# Altium PCB FMC_ADC_100M_10B_16CHA_TDC.PcbDoc (part 5 of 12)
Units mil, origin at the board's own origin, x right, y up, seen from the top; angles counter-clockwise.
Board outline 3037.39 x 2716.54 mil, 6 copper layers (TOP, G1, L2, L3, P3, BOTTOM), stack 50.475 mil thick; 720 components, 633 nets, 2798 pads, 1593 vias.
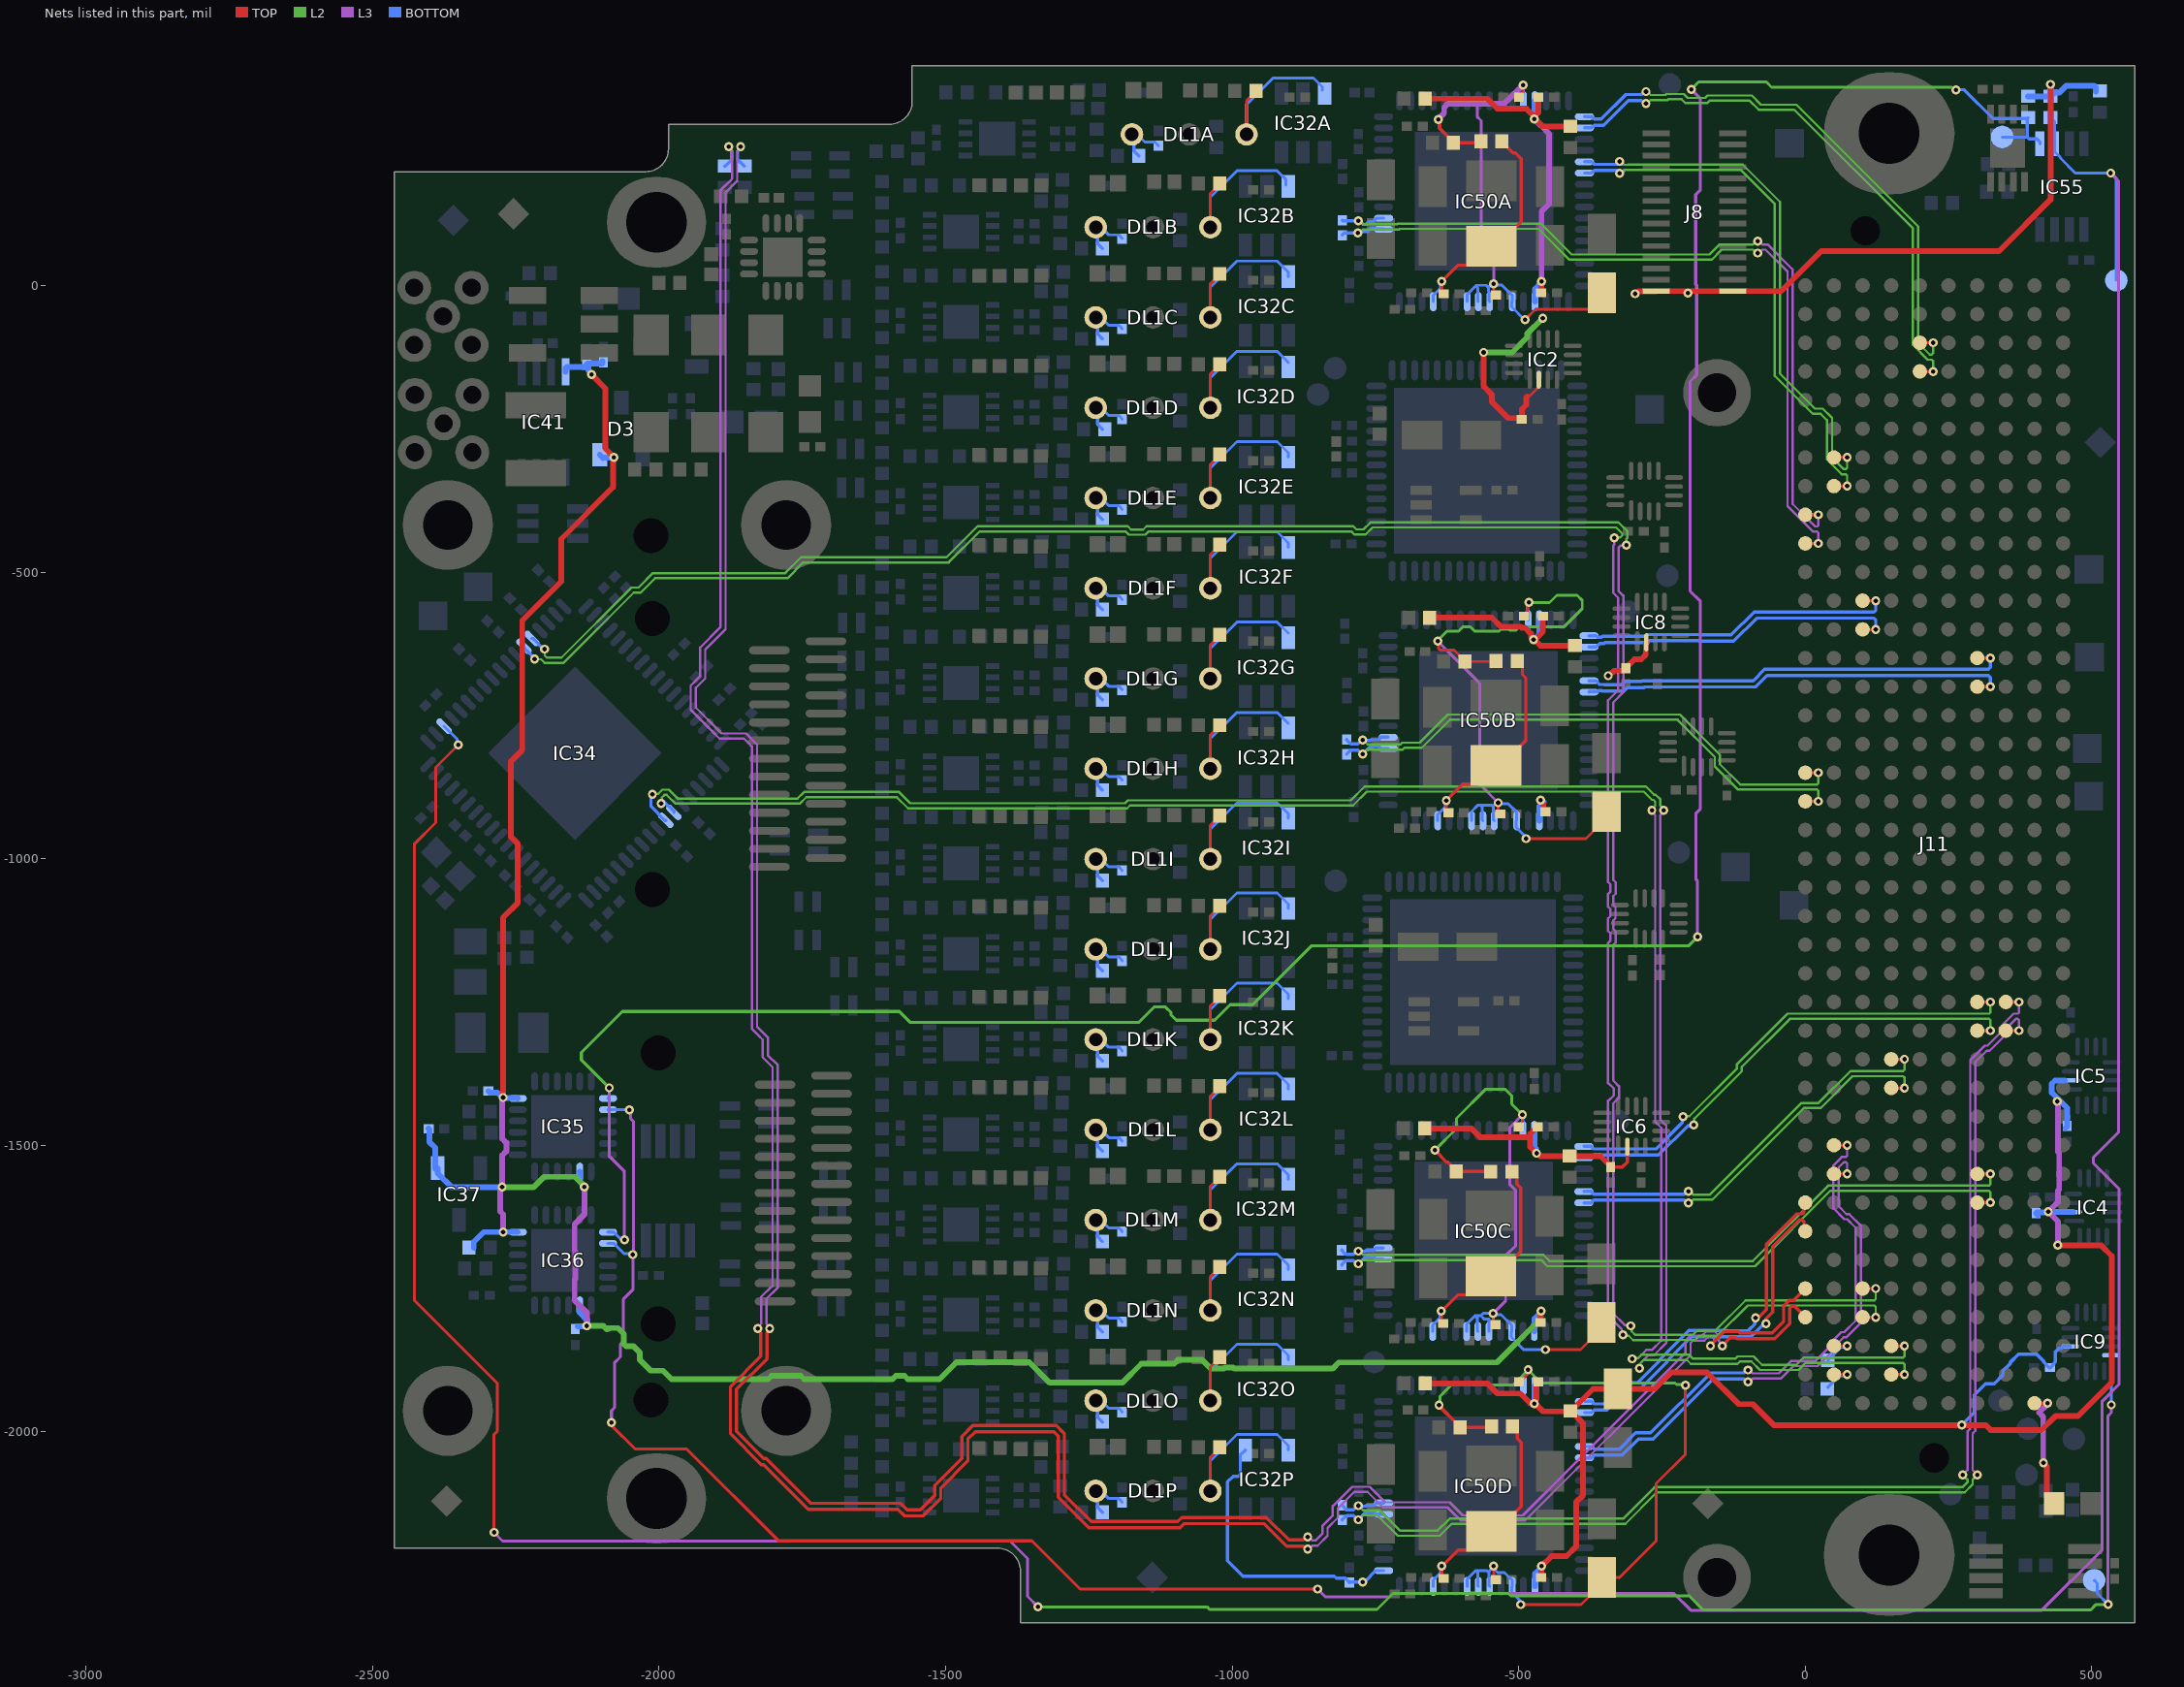
[diagram p9: the nets of this part, all layers, seen from the top]

## Via types
v1: diameter 15.75, hole 7.87, TOP to BOTTOM, tented both sides, 1528 vias
v2: diameter 23.62, hole 11.81, TOP to BOTTOM, tented both sides, 39 vias
v3: diameter 23.62, hole 7.87, TOP to BOTTOM, tented both sides, 26 vias

## Nets (pads, with @x,y where several pads share a name; then routed paths per layer and width w, separated by ;. In a path a pad name is that pad's centre, name@x,y a point inside that pad or via, vN(x,y) a via of type N, cw(c..) or ccw(c..) an arc to the next point about the centre after c; other vN are vias at no path point) (continued)
CFD_OUT15.SIG_P: IC32P.4 IC50D.33 R143D.1 | length 509
  BOTTOM w5.71: IC32P.4@-976.89,-2031.84 -985.85,-2040.79 -985.85,-2074.32 -989.19,-2077.66 -998.36,-2077.66 -1007.99,-2087.29 -1007.99,-2161.87 -1007.99,-2225.11 -981.33,-2251.76 -821.91,-2251.76 -818.27,-2255.41 -802.52,-2255.41 R143D.1@-795.81,-2262.12 ; R143D.1@-795.67,-2263.04 -795.67,-2262.26 R143D.1@-795.81,-2262.12 ; v1@-773,-2261 -768,-2261 -749.06,-2242.06 IC50D.33@-735.7,-2242.06 ; v1(-772.05,-2261.86) -772.19,-2262 -795.69,-2262 R143D.1@-795.81,-2262.12
CLK0_M2C_N: IC34.32 J11.h5 | length 3996.8
  TOP w5.71: J11.h5@100,-1750 v1(123,-1750)
  L3 w4: v1(-312,-453) -313.1,-454.1 -322.52,-454.1 -325.87,-457.45 -325.87,-532.66 -317.43,-541.11 -317.43,-709.77 -335.08,-727.42 -335.08,-1037.12 -330.85,-1041.34 -330.85,-1061.12 -335.08,-1065.35 -335.08,-1080.16 -331.13,-1084.11 -331.13,-1103.89 -335.08,-1107.84 -335.08,-1122.31 -330.85,-1126.54 -330.85,-1146.32 -335.08,-1150.55 -335.08,-1387.16 -325.14,-1397.1 -325.14,-1416.87 -335.08,-1426.81 -335.08,-1793.45 -314.97,-1813.56 -306.14,-1813.56 v1(-304.74,-1814.95)
  L2 w4: v1(-2199.76,-634.45) -2199.49,-634.72 -2199.49,-645.81 -2195.97,-649.33 -2170.34,-649.33 -2047.91,-526.89 -2035.72,-526.89 -2010.6,-501.77 -1779.64,-501.77 -1752.08,-474.21 -1498.37,-474.21 -1444.19,-420.03 -1182.23,-420.03 -1176.47,-425.8 -1155.27,-425.8 -1149.51,-420.03 -788.62,-420.03 -783.13,-425.52 -770.81,-425.52 -758.48,-413.19 -326.11,-413.19 -310.27,-429.03 -310.27,-439.8 -311.93,-441.47 -311.93,-452.93 v1(-312,-453) ; v1(-304.74,-1814.95) -302.82,-1816.87 -302.82,-1824.65 -296.63,-1830.84 -243.13,-1830.84 -242.95,-1830.65 -195.81,-1830.65 -188.26,-1823.1 -156.81,-1823.1 -104.21,-1770.5 120.66,-1770.5 123,-1768.16 v1(123,-1750)
  BOTTOM w5.71: IC34.32@-2221.98,-615.77 -2220.33,-615.77 -2201.64,-634.45 v1(-2199.76,-634.45)
CLK0_M2C_P: IC34.31 J11.h4 | length 4005.7
  TOP w5.71: J11.h4@100,-1800 v1(123,-1800)
  L3 w4: v1(-333.14,-440.53) -333.21,-440.59 -333.21,-452.06 -334.87,-453.72 -334.87,-536.39 -326.43,-544.84 -326.43,-706.04 -344.08,-723.69 -344.08,-1040.85 -339.85,-1045.07 -339.85,-1057.39 -344.08,-1061.62 -344.08,-1083.89 -340.13,-1087.84 -340.13,-1100.16 -344.08,-1104.11 -344.08,-1126.04 -339.85,-1130.27 -339.85,-1142.59 -344.08,-1146.82 -344.08,-1392.11 -342.85,-1392.11 -334.14,-1400.82 -334.14,-1413.15 -342.85,-1421.86 -344.08,-1421.86 -344.08,-1797.18 -320.08,-1821.18 -320.08,-1828.95 v1(-318.16,-1830.88)
  L2 w4: v1(-2217.21,-651.91) -2216.95,-652.17 -2205.85,-652.17 -2199.7,-658.33 -2166.62,-658.33 -2044.18,-535.89 -2032,-535.89 -2006.88,-510.77 -1775.91,-510.77 -1748.35,-483.21 -1494.64,-483.21 -1440.46,-429.03 -1185.96,-429.03 -1180.2,-434.8 -1151.54,-434.8 -1145.78,-429.03 -792.34,-429.03 -786.86,-434.52 -767.08,-434.52 -754.75,-422.19 -329.84,-422.19 -319.27,-432.76 -319.27,-436.07 -322.62,-439.43 -332.04,-439.43 v1(-333.14,-440.53) ; v1(-318.16,-1830.88) -316.77,-1832.27 -307.93,-1832.27 -300.36,-1839.84 -239.4,-1839.84 -239.22,-1839.65 -192.08,-1839.65 -184.53,-1832.1 -153.09,-1832.1 -100.49,-1779.5 120.66,-1779.5 123,-1781.84 v1(123,-1800)
  BOTTOM w5.71: IC34.31@-2235.9,-629.69 -2235.9,-631.34 -2217.21,-650.02 v1(-2217.21,-651.91)
CLK1_M2C_N: IC34.61 J11.g3 | length 3360.7
  TOP w5.71: J11.g3@150,-1850 v1(173,-1850)
  L3 w4: v1(-301.89,-1872.49) -300.65,-1871.24 -291.51,-1871.24 -277.44,-1857.17 -267.66,-1857.17 -251.34,-1840.85 -251.34,-1469.48 -261.75,-1459.07 -261.75,-923.95 -267.62,-918.07 v1(-267.62,-915.73)
  L2 w4: v1(-1996.45,-903.6) -1995.17,-902.32 -1995.17,-893.26 -1990.63,-888.72 -1986.59,-888.72 -1971.29,-904.02 -1754.58,-904.02 -1743.21,-892.66 -1585.14,-892.66 -1565.52,-912.28 -1183.22,-912.28 -1178.18,-907.24 -789.17,-907.24 -765.05,-883.13 -281.74,-883.13 -267.43,-897.43 -264.89,-897.43 -261.75,-900.57 -261.75,-907.51 -267.62,-913.39 v1(-267.62,-915.73) ; v1(-301.89,-1872.49) -300.65,-1871.24 -291.51,-1871.24 -285.88,-1865.61 -202.8,-1865.61 -196.03,-1872.38 -121.95,-1872.38 -117.83,-1868.26 -90.11,-1868.26 -75.35,-1883.02 -15.48,-1883.02 -2.96,-1870.5 170.66,-1870.5 173,-1868.16 v1(173,-1850)
  BOTTOM w5.71: v1@-1992.31,-899.46 -1974.21,-917.56 IC34.61@-1974.21,-919.21
CLK1_M2C_P: IC34.62 J11.g2 | length 3418.1
  TOP w5.71: J11.g2@150,-1900 v1(173,-1900)
  L3 w4: v1(-289.42,-1889.07) -287.21,-1886.86 -287.21,-1879.67 -273.71,-1866.17 -263.93,-1866.17 -242.34,-1844.58 -242.34,-1465.75 -252.75,-1455.34 -252.75,-923.95 -246.87,-918.07 v1(-246.87,-915.73)
  L2 w4: v1(-2011.54,-887.85) -2010.26,-886.56 -2001.2,-886.56 -1994.36,-879.72 -1982.86,-879.72 -1967.56,-895.02 -1758.3,-895.02 -1746.94,-883.66 -1581.41,-883.66 -1561.79,-903.28 -1186.95,-903.28 -1181.91,-898.24 -792.89,-898.24 -768.78,-874.13 -278.01,-874.13 -263.7,-888.43 -261.16,-888.43 -252.75,-896.84 -252.75,-907.51 -246.87,-913.39 v1(-246.87,-915.73) ; v1(-289.42,-1889.07) -287.21,-1886.86 -287.21,-1879.67 -282.15,-1874.61 -206.53,-1874.61 -199.76,-1881.38 -118.22,-1881.38 -114.1,-1877.26 -93.84,-1877.26 -79.08,-1892.02 -11.75,-1892.02 0.77,-1879.5 170.66,-1879.5 173,-1881.84 v1(173,-1900)
  BOTTOM w5.71: v1(-2011.54,-887.85) -2014.12,-890.43 -2014.12,-908.79 -1989.78,-933.13 IC34.62@-1988.13,-933.13
CLK2_BIDIR_N: J11.k5 R3.1 | length 4917
  TOP w5.71: v1(-1827.59,-1819.55) -1827.59,-1822.26 -1822.58,-1827.28 -1822.58,-1868.15 -1875.38,-1920.96 -1875.38,-2003.51 -1821.73,-2057.16 -1817.77,-2057.16 -1739.71,-2135.22 -1583.14,-2135.22 -1571.79,-2146.58 -1539.49,-2146.58 -1508.37,-2115.45 -1508.37,-2097.94 -1461.13,-2050.69 -1461.13,-2012.7 -1448.18,-1999.76 -1311,-1999.76 -1303.55,-2007.21 -1303.55,-2114.07 -1250.36,-2167.26 -1090.87,-2167.26 -1083.63,-2160.02 -944.59,-2160.02 -905.29,-2199.32 -875.98,-2199.32 -870.96,-2204.34 v1(-868.25,-2204.34) ; v1(-165.35,-1849.96) -165.35,-1848.46 -142.15,-1825.26 -116.34,-1825.26 -114.57,-1827.03 -57.81,-1827.03 -37.64,-1806.86 -37.64,-1780.06 -28.02,-1770.44 -20.44,-1770.44 -1.94,-1751.94 J11.k5@0,-1750
  L3 w4: v1(-1878.48,242.07) -1878.48,239.73 -1872.61,233.86 -1872.61,186.07 -1893,165.68 -1893,-596.24 -1928.37,-631.62 -1928.37,-681.72 -1944.88,-698.22 -1944.88,-740.11 -1908.33,-776.65 -1894.43,-790.55 -1851.71,-790.55 -1844.41,-797.85 -1838.05,-804.21 -1838.05,-1296.81 -1825.45,-1309.41 -1819.08,-1315.77 -1819.08,-1346.58 -1801.8,-1363.87 -1801.8,-1744.58 -1821.72,-1764.5 -1821.72,-1811.33 -1827.59,-1817.2 v1(-1827.59,-1819.55) ; v1(-868.25,-2204.34) -865.9,-2204.34 -860.03,-2198.47 -850.77,-2198.47 -833.63,-2181.32 -833.63,-2167.82 -815.4,-2149.59 -815.4,-2133.22 -786.88,-2104.7 -763.83,-2104.7 -736.58,-2131.94 -624,-2131.94 -615.26,-2140.68 -601.2,-2154.74 -488.82,-2154.74 -200.17,-1866.08 -200.17,-1844.58 -196.44,-1840.85 -175.86,-1840.85 -168.88,-1833.87 -161.82,-1833.87 -159.48,-1836.21 -159.48,-1841.74 -165.35,-1847.61 v1(-165.35,-1849.96)
  BOTTOM w5.71: R3.1@-1885.38,208.41 -1884.6,208.41 -1873.47,219.53 -1873.47,234.34
CLK2_BIDIR_P: J11.k4 R2.1 | length 4889.6
  TOP w5.71: v1(-1806.85,-1819.55) -1806.85,-1822.26 -1811.86,-1827.28 -1811.86,-1872.59 -1864.67,-1925.4 -1864.67,-1999.07 -1817.29,-2046.45 -1813.33,-2046.45 -1735.27,-2124.51 -1578.7,-2124.51 -1567.35,-2135.86 -1543.93,-2135.86 -1519.08,-2111.02 -1519.08,-2093.5 -1471.84,-2046.25 -1471.84,-2008.27 -1452.62,-1989.04 -1306.56,-1989.04 -1292.83,-2002.77 -1292.83,-2109.64 -1245.92,-2156.55 -1095.31,-2156.55 -1088.07,-2149.31 -940.15,-2149.31 -900.85,-2188.61 -875.98,-2188.61 -870.96,-2183.59 v1(-868.25,-2183.59) ; v1(-144.6,-1849.96) -144.6,-1849.7 -130.87,-1835.97 -120.77,-1835.97 -119,-1837.74 -53.37,-1837.74 -26.92,-1811.3 -26.92,-1784.5 -23.58,-1781.16 -18.84,-1781.16 J11.k4@0,-1800 J11.k4@-1.44,-1801.44
  L3 w4: v1(-1857.74,242.07) -1857.74,239.73 -1863.61,233.86 -1863.61,182.34 -1884,161.95 -1884,-599.97 -1919.37,-635.35 -1919.37,-685.44 -1935.88,-701.95 -1935.88,-736.38 -1895.61,-776.65 -1890.71,-781.55 -1847.98,-781.55 -1829.05,-800.48 -1829.05,-1293.08 -1810.08,-1312.04 -1810.08,-1342.85 -1792.8,-1360.14 -1792.8,-1748.31 -1812.72,-1768.23 -1812.72,-1811.33 -1806.85,-1817.2 v1(-1806.85,-1819.55) ; v1(-868.25,-2183.59) -865.9,-2183.59 -860.03,-2189.47 -854.5,-2189.47 -842.63,-2177.6 -842.63,-2164.1 -824.4,-2145.86 -824.4,-2129.49 -790.61,-2095.7 -760.1,-2095.7 -732.85,-2122.94 -620.27,-2122.94 -602.53,-2140.68 -597.47,-2145.74 -492.55,-2145.74 -209.17,-1862.36 -209.17,-1840.85 -200.17,-1831.85 -179.59,-1831.85 -172.61,-1824.87 -158.09,-1824.87 -150.48,-1832.48 -150.48,-1841.74 -144.6,-1847.61 v1(-144.6,-1849.96)
  BOTTOM w5.71: -1862.75,234.34 -1862.75,219.53 -1851.63,208.41 R2.1@-1850.84,208.41
CLK3_BIDIR_N: J11.j3 R121.2 | length 66.8
  TOP w5.71: J11.j3@50,-1850 v1(73,-1850)
  BOTTOM w5.71: R121.2@39.51,-1875 62.59,-1851.92 71.08,-1851.92 v1(73,-1850)
CLK3_BIDIR_P: J11.j2 R120.2 | length 65.7
  TOP w5.71: J11.j2@50,-1900 v1(73,-1900)
  BOTTOM w5.71: R120.2@39.51,-1922.25 59.84,-1901.92 71.08,-1901.92 v1(73,-1900)
CLK_DIR: J11.b1 R119.2 | length 215.1
  TOP w5.71: J11.b1@400,-1950 v1(423,-1950)
  TOP w10: v1(415.48,-2054.16) 421.54,-2060.21 421.54,-2112.28 R119.2@434.26,-2125
  L3 w10: v1(415.48,-2054.16) 415.09,-2053.77 415.09,-1973.65 408,-1966.56 423,-1951.56 v1(423,-1950)
CLK_SSN: B30.1 IC9.12 IC34.21 | length 4937.9
  TOP w5: v1(-2350.09,-801.23) -2389.61,-840.75 -2389.61,-936.98 -2426.56,-973.93 -2426.56,-1770.95 -2282.39,-1915.13 -2282.39,-1998.92 -2287.8,-2004.33 v1(-2287.8,-2175.25)
  L3 w5: v1(-2287.8,-2175.25) -2272.74,-2190.31 -1387.55,-2190.31 -1356.99,-2220.87 -1356.99,-2287.16 v1(-1338.98,-2305.17) ; v1(528.33,-2301.02) 528.33,-1972.1 533.87,-1966.56 v1(533.87,-1952.75)
  L2 w5: v1(-1338.98,-2305.17) -1043.89,-2305.17 -1039.34,-2309.72 -747.16,-2309.72 -719.36,-2281.92 -517.95,-2281.92 -514.01,-2285.86 -202.49,-2285.86 -177.49,-2310.86 497.65,-2310.86 507.49,-2301.02 v1(528.33,-2301.02)
  BOTTOM w5: IC34.21@-2375.09,-768.88 -2352.15,-791.82 -2352.15,-799.18 v1(-2350.09,-801.23) ; B30.1@504.1,-2258.79 509.32,-2264.02 509.32,-2282.01 v1(528.33,-2301.02) ; IC9.12@533.37,-1866.44 533.87,-1866.94 v1(533.87,-1952.75)
CVDD18A: C286A.1 C287A.1 IC50A.29 R149A.2 | length 344.3
  TOP w5: C287A.1@-634.25,-8.71 v1(-634.25,7.03)
  TOP w5.71: v1@-630.31,10.97 -605.8,35.48 -580.21,35.48 C286A.1@-547.64,68.06 ; R149A.2@-529.13,251.13 -529.13,250.34 -510.14,231.35 -505.92,231.35 -495.49,220.92 -495.49,111.35 -512.2,94.63 C286A.1@-512.2,93.65
  BOTTOM w5: IC50A.29@-649.09,-28.28 -649.09,-17.45 -636.31,-4.68 -636.31,4.98 v1(-634.25,7.03)
CVDD18B: C286B.1 C287B.1 IC50B.29 R149B.2 | length 333.4
  TOP w5: C287B.1@-626.38,-914.23 v1(-626.38,-898.48) ; R149B.2@-502.75,-655.17 -493.84,-664.09 -493.84,-678.37 -487.61,-684.59
  TOP w5.71: v1@-622.44,-894.54 -597.93,-870.03 -572.34,-870.03 C286B.1@-539.76,-837.45 ; C286B.1@-504.33,-811.86 -504.33,-810.88 -487.61,-794.16 -487.61,-684.59
  BOTTOM w5: IC50B.29@-641.21,-933.79 -641.21,-922.97 -628.43,-910.19 -628.43,-900.53 v1(-626.38,-898.48)
CVDD18C: C286C.1 C287C.1 IC50C.29 R149C.2 | length 333.4
  TOP w5: C287C.1@-635.17,-1805.17 v1(-635.17,-1789.42)
  TOP w5.71: v1@-631.23,-1785.49 -606.72,-1760.98 -581.13,-1760.98 C286C.1@-548.55,-1728.4 ; C286C.1@-513.12,-1702.81 -513.12,-1701.82 -496.4,-1685.11 -496.4,-1574.29 -502.98,-1567.72 -502.98,-1554.68 R149C.2@-511.55,-1546.12
  BOTTOM w5: IC50C.29@-650,-1824.74 -650,-1813.91 -637.22,-1801.13 -637.22,-1791.48 v1(-635.17,-1789.42)
CVDD18D: C286D.1 C287D.1 IC50D.29 R149D.2 | length 334.2
  TOP w5: C287D.1@-634.25,-2250.05 v1(-634.25,-2234.3)
  TOP w5.71: v1@-630.32,-2230.37 -605.81,-2205.86 -580.22,-2205.86 C286D.1@-547.64,-2173.28 ; C286D.1@-512.21,-2147.69 -512.21,-2146.71 -495.49,-2129.99 -495.49,-2020.42
  TOP w6: R149D.2@-510.63,-1990.21 -502.21,-1998.63 -502.21,-2011.41 -495.49,-2018.14 -495.49,-2020.42
  BOTTOM w5: IC50D.29@-649.09,-2269.62 -649.09,-2258.79 -636.31,-2246.01 -636.31,-2236.36 v1(-634.25,-2234.3)
DAC_SCL: B12.1 IC35.20 IC36.20 IC55.6 R161.1 | length 6267.1
  TOP w5.33: v1(-2083.07,-1983.94) -2083.07,-1988.56 -2041.84,-2029.79 -1951.76,-2029.79 -1791.4,-2190.14 -1349.35,-2190.14 -1265.15,-2274.35 v1(-850.79,-2274.35)
  L3 w5.33: v1(-2083.07,-1983.94) -2083.07,-1963.2 -2077.84,-1957.96 -2077.84,-1879.48 -2067.51,-1869.15 -2067.51,-1847.02 -2062.16,-1841.66 -2062.16,-1768.37 -2045.67,-1751.89 -2045.67,-1693.56 -2042.94,-1690.82 -2044.89,-1688.87 -2044.89,-1458.21 -2049.58,-1453.52 -2049.58,-1440.12 v1(-2051.58,-1438.12) ; v1(-850.79,-2274.35) -837.41,-2287.73 -725.4,-2287.73 -719.43,-2281.76 -229.08,-2281.76 -199.48,-2311.35 412.48,-2311.35 518.09,-2205.74 518.09,-1946.56 547.54,-1917.11 547.54,-1575.86 502.67,-1530.99 502.67,-1521.25 546.64,-1477.29 546.64,182.49 v1(533,196.13)
  BOTTOM w5.33: IC36.20@-2089.05,-1671.14 -2079.21,-1671.14 -2061.52,-1688.83 -2047.66,-1688.83 v1(-2045.67,-1690.82) ; IC35.20@-2089.05,-1437.87 -2088.92,-1438 -2051.7,-1438 v1(-2051.58,-1438.12) ; R161.1@428.19,292.78 435.08,285.89 IC55.6@435.08,247.11 435.08,233.33 445.13,223.28 445.13,222.29 471.29,196.13 v1(533,196.13) 542.64,186.49 B12.1@542.64,9.07
DAC_SDA: B13.1 IC35.19 IC36.19 IC55.5 R162.1 | length 4692.9
  L3 w5.33: v1(-2087.01,-1399.66) -2087.01,-1518.9 -2060.43,-1545.48 v1(-2060.43,-1664.73) ; v1(-199,342) -183.46,326.46 -183.46,166.19 -191.12,158.52 -191.12,2.06 -189.46,0.4 -189.46,-156.07 -200.97,-167.58 -200.97,-533.05 -182.94,-551.08 -182.94,-912.82 -190.54,-920.42 -190.54,-1036.81 -188,-1039.35 v1(-188,-1136.43)
  L2 w5.33: v1(-2087.01,-1399.66) -2135.43,-1351.24 -2135.43,-1338.07 -2064.05,-1266.7 -1580.56,-1266.7 -1561.43,-1285.83 -1163.36,-1285.83 -1136.22,-1258.69 -1116.13,-1258.69 -1106.81,-1268 -1106.81,-1272.58 -1097.5,-1281.89 -1030.58,-1281.89 -1003.46,-1254.77 -964.42,-1254.77 -861.79,-1152.13 -203.7,-1152.13 v1(-188,-1136.43) ; v1(-199,342) -186,355 -67.94,355 -58.78,345.84 255.79,345.84
  BOTTOM w5.33: IC36.19@-2089.05,-1651.45 -2079.21,-1651.45 v1@-2067.93,-1662.73 ; IC35.19@-2089.05,-1418.19 -2087.01,-1416.14 v1(-2087.01,-1399.66) ; v1(263.11,341.34) 277.58,341.34 327.67,291.25 R162.1@387.28,291.25 ; B13.1@343.67,258.84 387.28,258.84 ; R162.1@388.82,292.78 R162.1@387.28,291.25 ; IC55.5@409.49,247.11 409.49,250.5 404.28,255.71 390.4,255.71 387.28,258.84 ; 387.28,258.84 R162.1@387.28,291.25
DISABLEA_N: IC50A.39 J11.k32 R139A.2 | length 1401
  TOP w5.71: J11.k32@-2.21,-402.21 J11.k32@0,-400 v1(23,-400)
  L3 w4: v1(-83.07,77.41) -80.73,77.41 -74.86,71.54 -65.6,71.54 -22.04,27.98 -22.04,-381.12 17.34,-420.5 20.66,-420.5 23,-418.16 v1(23,-400)
  L2 w4: v1(-780,112.65) -777.8,112.65 -771.78,106.63 -712.41,106.63 -711.15,107.9 -461.63,107.9 -407.7,53.97 -167.18,53.97 -149.61,71.54 -91.29,71.54 -85.42,77.41 v1(-83.07,77.41)
  BOTTOM w5.71: R139A.2@-807.89,113.53 -807.01,112.65 v1(-780,112.65) ; v1@-773.7,109.07 -771.13,106.5 -766.4,106.5 -762.09,110.81 -754.76,110.81 -748.18,117.39 IC50A.39@-735.7,117.39
DISABLEA_P: IC50A.38 J11.k31 R139A.1 | length 1406.7
  TOP w5.71: J11.k31@-2.21,-447.79 J11.k31@0,-450 v1(23,-450)
  L3 w4: v1(-83.07,56.66) -80.73,56.66 -74.86,62.54 -69.33,62.54 -31.04,24.25 -31.04,-384.85 13.62,-429.5 20.66,-429.5 23,-431.84 v1(23,-450)
  L2 w4: v1(-780.43,91.9) -777.94,91.9 -772.21,97.63 -708.69,97.63 -707.42,98.9 -465.36,98.9 -411.43,44.97 -163.45,44.97 -145.89,62.54 -91.29,62.54 -85.42,56.66 v1(-83.07,56.66)
  BOTTOM w5.71: R139A.1@-807.89,88.53 -804.52,91.9 v1(-780.43,91.9) ; v1@-780.41,93.76 -763.99,93.76 -757.65,100.09 -752.92,100.09 -751.7,98.87 -736.87,98.87 IC50A.38@-735.7,97.7
DISABLEB_N: IC50B.39 J11.k23 R139B.2 | length 1003.8
  TOP w5.71: J11.k23@0,-850 v1(23,-850)
  L2 w4: v1(-772.12,-792.86) -771.75,-792.86 -763.91,-800.71 -706.37,-800.71 -703.27,-797.61 -672.66,-797.61 -623.67,-748.62 -218.97,-748.62 -148.82,-818.77 -148.82,-835.23 -113.54,-870.5 20.66,-870.5 23,-868.16 v1(23,-850)
  BOTTOM w5.71: R139B.2@-800.02,-791.98 -800.02,-792.77 -792.94,-799.85 -780.49,-799.85 -773.5,-792.86 v1(-772.12,-792.86) -771.14,-793.85 -759.31,-793.85 -758.07,-792.61 -744.79,-792.61 -740.3,-788.12 IC50B.39@-727.83,-788.12
DISABLEB_P: IC50B.38 J11.k22 R139B.1 | length 1008.6
  TOP w5.71: J11.k22@0,-900 v1(23,-900)
  L2 w4: v1(-772.12,-817.55) -771.75,-817.55 -763.91,-809.71 -702.64,-809.71 -699.55,-806.61 -668.93,-806.61 -619.94,-757.62 -222.69,-757.62 -157.82,-822.5 -157.82,-838.96 -117.27,-879.5 20.66,-879.5 23,-881.84 v1(23,-900)
  BOTTOM w5.71: R139B.1@-800.02,-817.97 -800.02,-817.18 -794.61,-811.77 -792.46,-811.77 -791.26,-810.56 -780.49,-810.56 -773.5,-817.55 v1(-772.12,-817.55) -759.14,-804.56 -754.87,-804.56 -753.63,-803.32 -744.79,-803.32 -740.3,-807.81 IC50B.38@-727.83,-807.81
DISABLEC_N: IC50C.39 J11.d9 R139C.2 | length 1287.5
  TOP w5.71: J11.d9@300,-1550 v1(323,-1550)
  L2 w4: v1(-780.05,-1684.68) -778.37,-1684.68 -771.83,-1691.21 -457.06,-1691.21 -446.34,-1701.94 -91.54,-1701.94 39.89,-1570.5 320.66,-1570.5 323,-1568.16 v1(323,-1550)
  BOTTOM w5.71: R139C.2@-808.81,-1682.93 -808.81,-1683.71 -803.4,-1689.13 -801.37,-1689.13 -800.05,-1690.44 -788.41,-1690.44 -782.65,-1684.68 v1(-780.05,-1684.68) -779.73,-1685 -767.9,-1685 -766.46,-1683.55 -753.58,-1683.55 -749.09,-1679.07 IC50C.39@-736.62,-1679.07
DISABLEC_P: IC50C.38 J11.d8 R139C.1 | length 1291.8
  TOP w5.71: J11.d8@300,-1600 v1(323,-1600)
  L2 w4: v1(-779.92,-1706.75) -778.24,-1706.75 -771.7,-1700.21 -460.79,-1700.21 -450.07,-1710.94 -87.81,-1710.94 43.62,-1579.5 320.66,-1579.5 323,-1581.84 v1(323,-1600)
  BOTTOM w5.71: R139C.1@-808.81,-1708.91 -808.81,-1708.12 -801.84,-1701.15 -788.23,-1701.15 -782.64,-1706.75 -778.74,-1706.75 -767.7,-1695.71 -763.46,-1695.71 -762.02,-1694.27 -753.58,-1694.27 -749.09,-1698.75 IC50C.38@-736.62,-1698.75
DISABLED_N: IC50D.39 J11.c15 R139D.2 | length 2109.3
  TOP w5.71: J11.c15@350,-1250 v1(373,-1250)
  L3 w4: v1(275,-2075) 275,-2074.78 283,-2066.78 283,-1999.13 287.87,-1994.26 287.87,-1351.36 313.13,-1326.11 317.93,-1326.11 339,-1305.03 339,-1295.11 363.62,-1270.5 370.66,-1270.5 373,-1268.16 v1(373,-1250)
  L2 w4: v1(-780,-2128.69) -779.63,-2128.69 -771.78,-2136.53 -743.08,-2136.53 -707.42,-2172.19 -641.33,-2172.19 -620.52,-2151.38 -317.69,-2151.38 -262.81,-2096.5 274.54,-2096.5 283,-2088.04 283,-2083.22 275,-2075.22 v1(275,-2075)
  BOTTOM w5.71: R139D.2@-807.89,-2127.81 -807.89,-2128.6 -800.81,-2135.68 -788.37,-2135.68 -781.38,-2128.69 v1(-780,-2128.69) -779.01,-2129.68 -767.19,-2129.68 -765.94,-2128.44 -752.67,-2128.44 -748.18,-2123.95 IC50D.39@-735.7,-2123.95
DISABLED_P: IC50D.38 J11.c14 R139D.1 | length 2114.1
  TOP w5.71: J11.c14@350,-1300 v1(373,-1300)
  L3 w4: v1(300,-2075) 300,-2074.78 292,-2066.78 292,-2002.86 296.87,-1997.99 296.87,-1355.09 316.86,-1335.11 321.66,-1335.11 348,-1308.76 348,-1298.84 367.34,-1279.5 370.66,-1279.5 373,-1281.84 v1(373,-1300)
  L2 w4: v1(-780,-2153.38) -779.63,-2153.38 -771.78,-2145.53 -746.81,-2145.53 -711.15,-2181.19 -637.61,-2181.19 -616.79,-2160.38 -313.96,-2160.38 -259.09,-2105.5 278.26,-2105.5 292,-2091.76 292,-2083.22 300,-2075.22 v1(300,-2075)
  BOTTOM w5.71: R139D.1@-807.89,-2153.79 -807.89,-2153.01 -802.48,-2147.59 -800.34,-2147.59 -799.14,-2146.39 -788.37,-2146.39 -781.38,-2153.38 v1(-780,-2153.38) -767.02,-2140.39 -762.75,-2140.39 -761.51,-2139.15 -752.67,-2139.15 -748.18,-2143.64 IC50D.38@-735.7,-2143.64
DL_INA: DL1A.1 R62A.2 R66A.2 | length 85.9
  BOTTOM w5: DL1A.1@-1166.99,263 -1165,263 -1152.19,250.2 -1134.7,250.2 -1128.93,244.44 R66A.2@-1128.93,243.65
  BOTTOM w5.71: DL1A.1@-1168.96,261.03 -1171.55,258.44 -1171.55,234.89 R62A.2@-1162.99,226.33
DL_INB: DL1B.1 R62B.2 R66B.2 | length 85.9
  BOTTOM w5: DL1B.1@-1230.11,101.04 -1228.11,101.04 -1215.31,88.24 -1197.81,88.24 -1192.04,82.47 R66B.2@-1192.04,81.68
  BOTTOM w5.71: DL1B.1@-1232.08,99.07 -1234.67,96.48 -1234.67,72.92 R62B.2@-1226.11,64.36
DL_INC: DL1C.1 R62C.2 R66C.2 | length 85.9
  BOTTOM w5: DL1C.1@-1230.11,-56.45 -1228.11,-56.45 -1215.31,-69.25 -1197.81,-69.25 -1192.04,-75.01 R66C.2@-1192.04,-75.8
  BOTTOM w5.71: DL1C.1@-1232.08,-58.41 -1234.67,-61.01 -1234.67,-84.56 R62C.2@-1226.11,-93.12
DL_IND: DL1D.1 R62D.2 R66D.2 | length 85.9
  BOTTOM w5: DL1D.1@-1230.11,-213.93 -1228.11,-213.93 -1215.31,-226.73 -1197.81,-226.73 -1192.04,-232.49 R66D.2@-1192.04,-233.28
  BOTTOM w5.71: DL1D.1@-1232.08,-215.89 -1234.67,-218.49 -1234.67,-242.04 R62D.2@-1226.11,-250.6
DL_INE: DL1E.1 R62E.2 R66E.2 | length 85.9
  BOTTOM w5: DL1E.1@-1230.11,-371.41 -1228.11,-371.41 -1215.31,-384.21 -1197.81,-384.21 -1192.04,-389.97 R66E.2@-1192.04,-390.76